# Altium PCB Universal_PCB.PcbDoc (part 3 of 3)
Units mm, origin at the board's own origin, x right, y up, seen from the top; angles counter-clockwise.
Board outline 200 x 105 mm, 2 copper layers (Top Layer, Bottom Layer), stack 1.57 mm thick; 323 components, 231 nets, 891 pads, 95 vias.
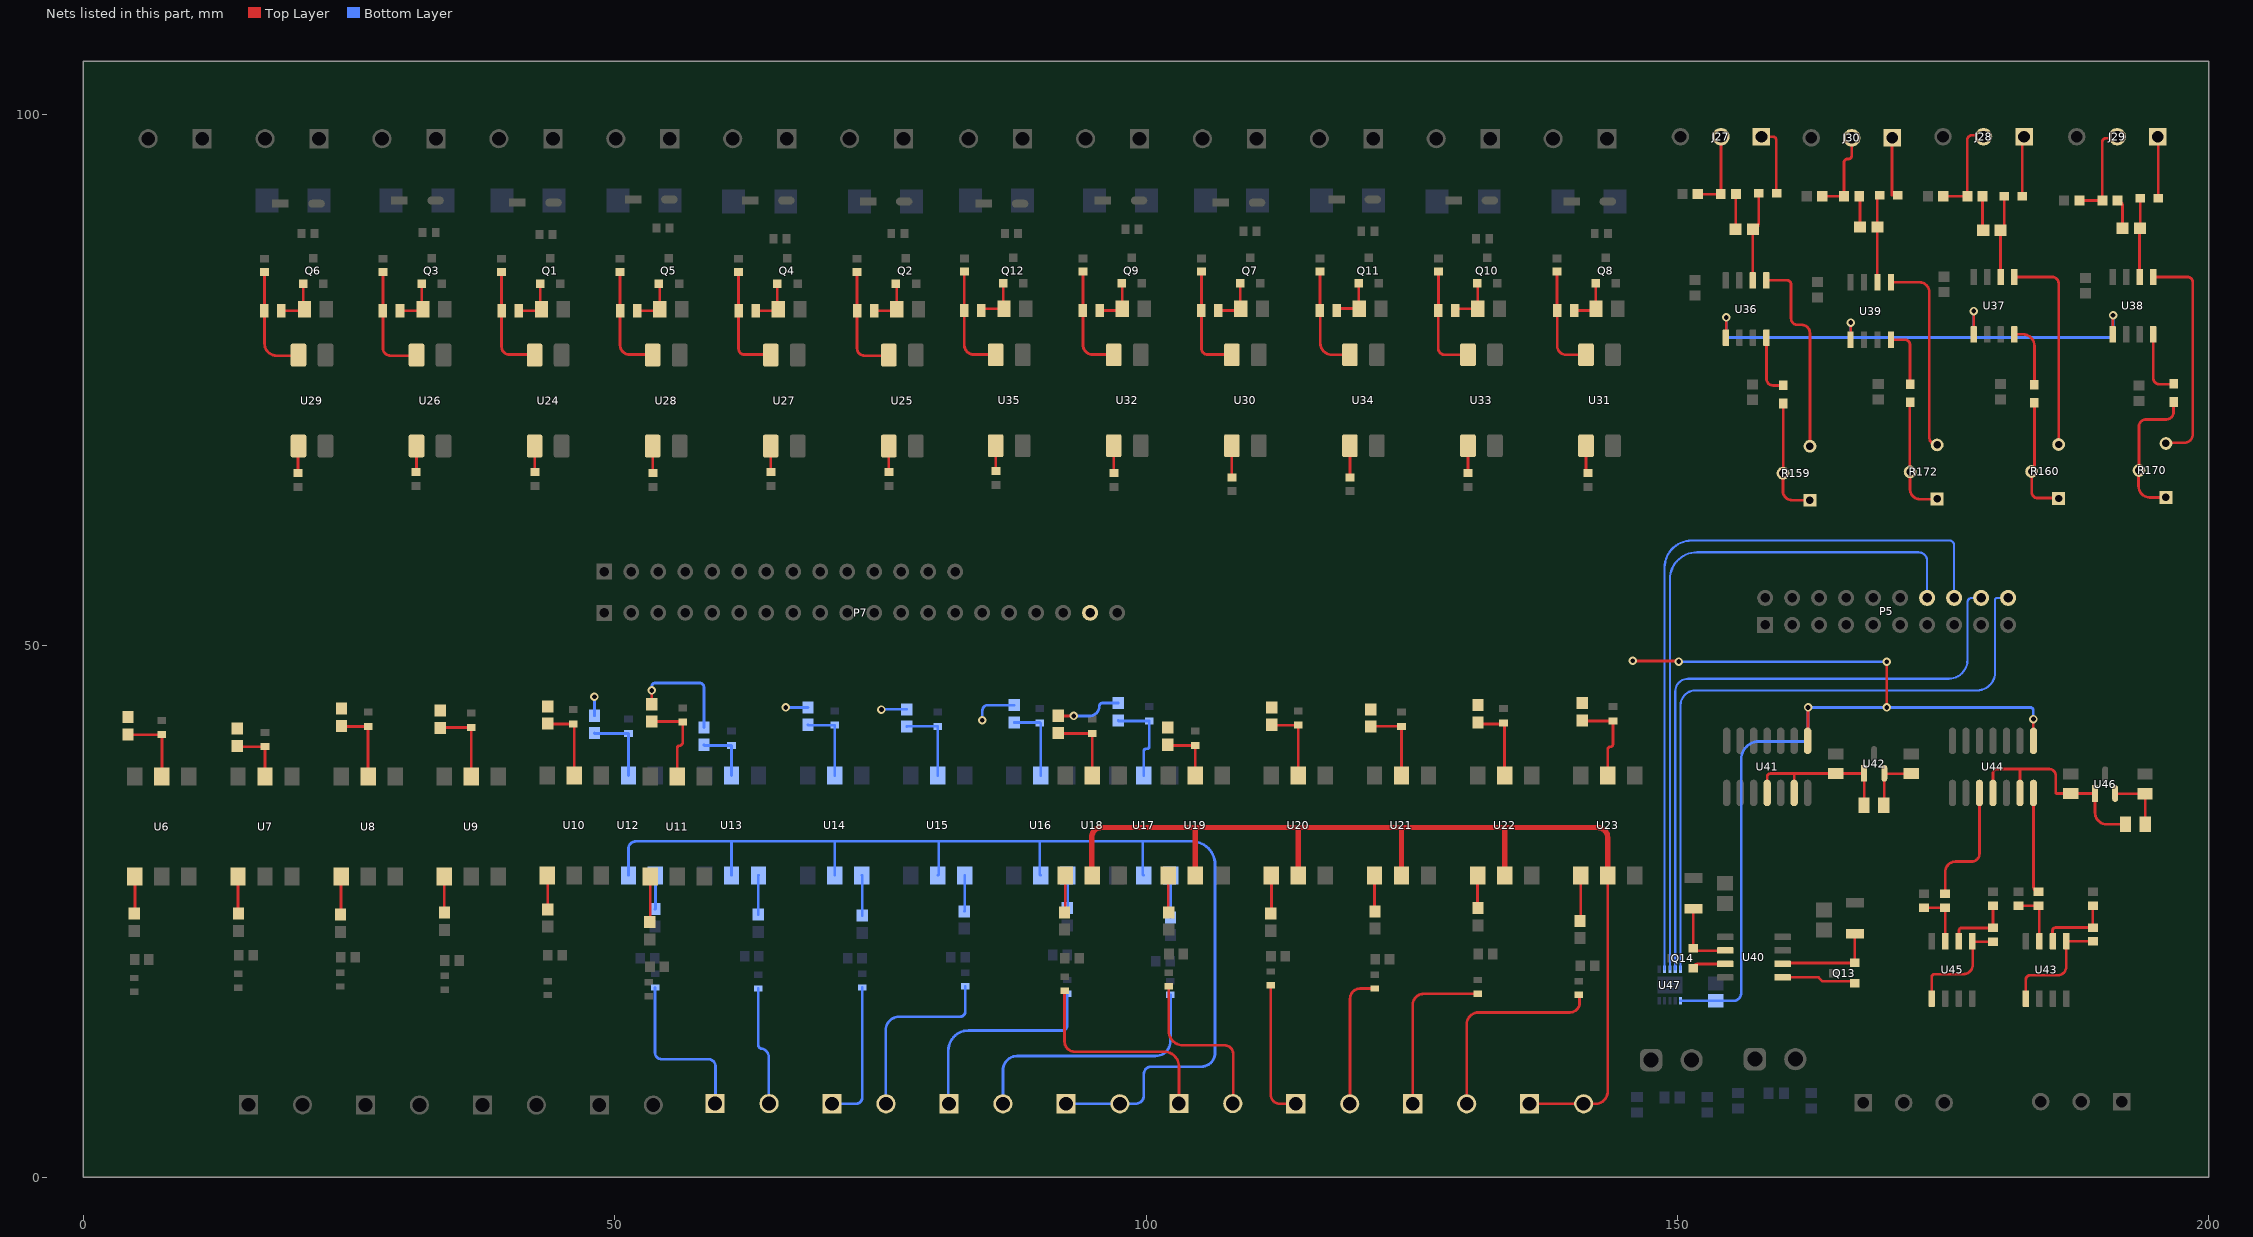
[diagram p3: the nets of this part, all layers, seen from the top]

## Via types
v1: diameter 0.8, hole 0.45, Top Layer to Bottom Layer, 83 vias
v2: diameter 1.27, hole 0.711, Top Layer to Bottom Layer, 12 vias

## Nets (pads, with @x,y where several pads share a name; then routed paths per layer and width w, separated by ;. In a path a pad name is that pad's centre, name@x,y a point inside that pad or via, vN(x,y) a via of type N, cw(c..) or ccw(c..) an arc to the next point about the centre after c; other vN are vias at no path point) (continued)
NetJ6_1: J6.1 R44.1 | length 37.3
  Bottom Layer w0.254: 53.8,11.7 ccw(c54.4,11.7) 54.4,11.1 ; 53.8,11.7 ccw(c54.4,11.7) 54.4,11.1 ; 53.8,11.7 ccw(c54.4,11.7) 54.4,11.1 ; 53.8,11.7 R44.1@53.8,17.85 ; 53.8,11.7 R44.1@53.8,17.85 ; 53.8,11.7 R44.1@53.8,17.85 ; 54.4,11.1 58.8,11.1 cw(c58.8,10.4) 59.5,10.4 ; J6.1@59.448,6.923 ccw(c59.448,6.975) J6.1@59.5,6.975 ; J6.1@59.448,6.923 ccw(c59.448,6.975) J6.1@59.5,6.975 ; J6.1@59.448,6.923 ccw(c59.448,6.975) J6.1@59.5,6.975 ; J6.1@59.5,6.975 59.5,10.4 ; J6.1@59.5,6.975 59.5,10.4 ; J6.1@59.5,6.975 59.5,10.4
NetJ6_2: J6.2 R48.1 | length 13.7
  Bottom Layer w0.254: R48.1@63.5,17.75 63.5,12.489 ccw(c63.92,12.489) 63.77,12.097 ; J6.2@64.528,6.923 cw(c64.528,6.951) 64.5,6.951 64.5,11.3 ; 63.77,12.097 ccw(c63.92,12.489) 63.92,12.069 ; 63.77,12.097 ccw(c63.92,12.489) 63.92,12.069 ; 63.77,12.097 ccw(c63.92,12.489) 63.92,12.069 ; 63.92,12.069 cw(c63.7,11.3) 64.5,11.3 ; 63.92,12.069 cw(c63.7,11.3) 64.5,11.3 ; 63.92,12.069 cw(c63.7,11.3) 64.5,11.3
NetJ7_1: J7.1 R52.1 | length 18.5
  Bottom Layer w0.254: R52.1@73.3,17.85 73.3,7.5 cw(c72.7,7.5) 72.7,6.9 ; J7.1@70.352,7 cw(c70.352,6.9) J7.1@70.452,6.9 ; J7.1@70.352,7 cw(c70.352,6.9) J7.1@70.452,6.9 ; J7.1@70.352,7 cw(c70.352,6.9) J7.1@70.452,6.9 ; J7.1@70.452,6.9 72.7,6.9 ; J7.1@70.452,6.9 72.7,6.9 ; J7.1@70.452,6.9 72.7,6.9
NetJ7_2: J7.2 R56.1 | length 48.6
  Bottom Layer w0.254: J7.2@75.532,6.9 cw(c75.532,6.932) J7.2@75.5,6.932 ; R56.1@83,17.95 83,15.6 ; J7.2@75.5,6.932 75.5,13.8 ; J7.2@75.5,6.932 75.5,13.8 ; J7.2@75.5,6.932 75.5,13.8 ; 75.5,13.8 cw(c76.8,13.8) 76.8,15.1 ; 75.5,13.8 cw(c76.8,13.8) 76.8,15.1 ; 75.5,13.8 cw(c76.8,13.8) 76.8,15.1 ; 76.8,15.1 82.5,15.1 ; 76.8,15.1 82.5,15.1 ; 76.8,15.1 82.5,15.1 ; 82.5,15.1 ccw(c82.5,15.6) 83,15.6 ; 82.5,15.1 ccw(c82.5,15.6) 83,15.6 ; 82.5,15.1 ccw(c82.5,15.6) 83,15.6
NetJ8_1: J8.1 R60.1 | length 54
  Bottom Layer w0.254: J8.1@81.456,6.9 cw(c81.456,6.956) J8.1@81.4,6.956 ; R60.1@92.6,17.25 92.6,14.3 cw(c92.1,14.3) 92.1,13.8 ; J8.1@81.4,6.956 81.4,11.9 ; J8.1@81.4,6.956 81.4,11.9 ; J8.1@81.4,6.956 81.4,11.9 ; 81.4,11.9 cw(c83.3,11.9) 83.3,13.8 ; 81.4,11.9 cw(c83.3,11.9) 83.3,13.8 ; 81.4,11.9 cw(c83.3,11.9) 83.3,13.8 ; 83.3,13.8 92.1,13.8 ; 83.3,13.8 92.1,13.8 ; 83.3,13.8 92.1,13.8
NetJ8_2: J8.2 R64.1 | length 65.8
  Bottom Layer w0.254: R64.1@102.3,17.15 102.3,12.8 ; J8.2@86.536,6.9 86.536,10.038 ; J8.2@86.536,6.9 86.536,10.038 ; J8.2@86.536,6.9 86.536,10.038 ; 86.536,10.038 cw(c87.898,10.038) 87.898,11.4 ; 86.536,10.038 cw(c87.898,10.038) 87.898,11.4 ; 86.536,10.038 cw(c87.898,10.038) 87.898,11.4 ; 87.898,11.4 100.9,11.4 ; 87.898,11.4 100.9,11.4 ; 87.898,11.4 100.9,11.4 ; 100.9,11.4 ccw(c100.9,12.8) 102.3,12.8 ; 100.9,11.4 ccw(c100.9,12.8) 102.3,12.8 ; 100.9,11.4 ccw(c100.9,12.8) 102.3,12.8
NetJ9_1: J9.1 J9.2 U12.2 U13.2 U14.2 U15.2 U16.2 U17.2 | length 130.9
  Bottom Layer w0.254: U12.2@51.3,28.4 51.3,30.9 cw(c52,30.9) 52,31.6 61,31.6 ; U13.2@61,28.4 61,31.6 ; U14.2@70.7,28.4 70.7,31.6 ; U15.2@80.4,28.4 ccw(c80.4,28.5) 80.5,28.5 80.5,31.6 ; U16.2@90.1,28.4 cw(c90.1,28.5) 90,28.5 90,31.6 ; J9.1@92.46,6.9 J9.2@97.54,6.9 99,6.9 ccw(c99,7.7) 99.8,7.7 99.8,9.7 cw(c100.5,9.7) 100.5,10.4 ; 61,31.6 70.7,31.6 ; 70.7,31.6 80.5,31.6 ; 80.5,31.6 90,31.6 ; 90,31.6 99.7,31.6 ; U17.2@99.7,28.5 ccw(c99.8,28.5) U17.2@99.8,28.4 ; U17.2@99.7,28.5 ccw(c99.8,28.5) U17.2@99.8,28.4 ; U17.2@99.7,28.5 ccw(c99.8,28.5) U17.2@99.8,28.4 ; U17.2@99.7,28.5 99.7,31.6 ; U17.2@99.7,28.5 99.7,31.6 ; U17.2@99.7,28.5 99.7,31.6 ; 99.7,31.6 104.3,31.6 cw(c104.3,29.4) 106.5,29.4 106.5,11.7 ; 100.5,10.4 105.2,10.4 ; 100.5,10.4 105.2,10.4 ; 100.5,10.4 105.2,10.4 ; 105.2,10.4 ccw(c105.2,11.7) 106.5,11.7 ; 105.2,10.4 ccw(c105.2,11.7) 106.5,11.7 ; 105.2,10.4 ccw(c105.2,11.7) 106.5,11.7
NetJ10_1: J10.1 R68.1 | length 47.2
  Top Layer w0.254: R68.1@92.34,17.55 92.34,12.76 ; J10.1@103.088,6.923 J10.1@103.1,6.923 ; 92.34,12.76 ccw(c93.3,12.76) 93.3,11.8 ; 92.34,12.76 ccw(c93.3,12.76) 93.3,11.8 ; 92.34,12.76 ccw(c93.3,12.76) 93.3,11.8 ; 93.3,11.8 101.7,11.8 ; 93.3,11.8 101.7,11.8 ; 93.3,11.8 101.7,11.8 ; 101.7,11.8 cw(c101.7,10.4) 103.1,10.4 ; J10.1@103.1,6.923 103.1,10.4 ; J10.1@103.1,6.923 103.1,10.4 ; J10.1@103.1,6.923 103.1,10.4
NetJ10_2: J10.2 R72.1 | length 26.5
  Top Layer w0.254: R72.1@102.14,17.95 102.14,13.76 ccw(c103.5,13.76) 103.5,12.4 ; J10.2@108.168,6.923 ccw(c108.168,6.955) 108.2,6.955 108.2,11.6 ; 103.5,12.4 107.4,12.4 ; 103.5,12.4 107.4,12.4 ; 103.5,12.4 107.4,12.4 ; 107.4,12.4 cw(c107.4,11.6) 108.2,11.6 ; 107.4,12.4 cw(c107.4,11.6) 108.2,11.6 ; 107.4,12.4 cw(c107.4,11.6) 108.2,11.6
NetJ11_1: J11.1 R76.1 | length 36.4
  Top Layer w0.254: J11.1@114.092,6.9 112.6,6.9 ; 111.74,7.76 ccw(c112.6,7.76) 112.6,6.9 ; 111.74,7.76 ccw(c112.6,7.76) 112.6,6.9 ; 111.74,7.76 ccw(c112.6,7.76) 112.6,6.9 ; 111.74,7.76 R76.1@111.74,18.05 ; 111.74,7.76 R76.1@111.74,18.05 ; 111.74,7.76 R76.1@111.74,18.05
NetJ11_2: J11.2 R80.1 | length 12.8
  Top Layer w0.254: J11.2@119.172,6.9 ccw(c119.172,6.928) 119.2,6.928 119.2,16.8 cw(c120.15,16.8) 120.15,17.75 R80.1@121.54,17.75
NetJ12_1: J12.1 R84.1 | length 37.9
  Top Layer w0.254: J12.1@125.096,6.9 J12.1@125.1,6.9 ; R84.1@131.24,17.25 126.15,17.25 ; J12.1@125.1,6.9 125.1,16.2 ; J12.1@125.1,6.9 125.1,16.2 ; J12.1@125.1,6.9 125.1,16.2 ; 125.1,16.2 cw(c126.15,16.2) 126.15,17.25 ; 125.1,16.2 cw(c126.15,16.2) 126.15,17.25 ; 125.1,16.2 cw(c126.15,16.2) 126.15,17.25
NetJ12_2: J12.2 R88.1 | length 40.1
  Top Layer w0.254: J12.2@130.176,6.9 130.176,14.376 cw(c131.3,14.376) 131.3,15.5 ; R88.1@140.74,17.15 cw(c140.74,17.09) 140.8,17.09 140.8,16.4 ; 131.3,15.5 139.9,15.5 ; 131.3,15.5 139.9,15.5 ; 131.3,15.5 139.9,15.5 ; 139.9,15.5 ccw(c139.9,16.4) 140.8,16.4 ; 139.9,15.5 ccw(c139.9,16.4) 140.8,16.4 ; 139.9,15.5 ccw(c139.9,16.4) 140.8,16.4
NetJ13_1: J13.1 J13.2 U18.2 U19.2 U20.2 U21.2 U22.2 U23.2 | length 103.3
  Top Layer w0.254: J13.1@136.1,6.9 J13.2@141.18,6.9 142.3,6.9 ccw(c142.3,8.04) 143.44,8.04 U23.2@143.44,28.4
  Top Layer w0.508: U18.2@94.94,28.4 cw(c94.94,28.44) 94.9,28.44 94.9,32 cw(c95.8,32) 95.8,32.9 104.6,32.9 ; U19.2@104.64,28.4 104.64,32.86 ccw(c104.6,32.86) 104.6,32.9 ; U20.2@114.34,28.4 114.34,32.76 ccw(c114.2,32.76) 114.2,32.9 ; U21.2@124.04,28.4 124.04,32.86 ccw(c124,32.86) 124,32.9 ; U22.2@133.74,28.4 133.74,32.86 ccw(c133.7,32.86) 133.7,32.9 ; U23.2@143.44,28.4 143.44,31.96 ccw(c142.5,31.96) 142.5,32.9 133.7,32.9 ; 104.6,32.9 114.2,32.9 ; 114.2,32.9 124,32.9 ; 124,32.9 133.7,32.9
NetJ27_01: J27.01 R151.1 | length 6.6
  Top Layer w0.254: J27.01@157.91,97.9 159,97.9 cw(c159,97.6) 159.3,97.6 159.3,92.65 ccw(c159.35,92.65) R151.1@159.35,92.6
NetJ27_02: J27.02 R157.1 R161.1 | length 7.6
  Top Layer w0.254: R161.1@151.927,92.5 R157.1@154.085,92.5 154.1,92.5 J27.02@154.1,97.9
NetJ28_01: J28.01 R152.1 | length 5.7
  Top Layer w0.254: R152.1@182.45,92.3 182.45,97.73 cw(c182.62,97.73) J28.01@182.62,97.9
NetJ28_02: J28.02 R158.1 R162.1 | length 9.4
  Top Layer w0.254: R162.1@175.027,92.297 R158.1@177.285,92.297 ; R158.1@177.285,92.3 177.285,97.596 cw(c177.731,97.596) 177.731,98.042 178.668,98.042 cw(c178.668,97.9) J28.02@178.81,97.9
NetJ29_01: J29.01 R163.1 | length 5.8
  Top Layer w0.254: J29.01@195.2,97.9 cw(c195.2,97.85) 195.25,97.85 R163.1@195.25,92.1
NetJ29_02: J29.02 R169.1 R173.1 | length 9.4
  Top Layer w0.254: R173.1@187.827,91.891 R169.1@189.985,91.891 ; R169.1@189.985,91.9 189.985,97.432 cw(c190.311,97.432) 190.311,97.758 191.248,97.758 ccw(c191.248,97.9) J29.02@191.39,97.9
NetJ30_01: J30.01 R164.1 | length 5.4
  Top Layer w0.254: 170.199,92.4 J30.01@170.199,97.8
NetJ30_02: J30.02 R171.1 R174.1 | length 8
  Top Layer w0.254: R174.1@163.627,92.297 R171.1@165.685,92.297 ; R171.1@165.685,92.3 165.685,95.485 cw(c166,95.485) 166,95.8 166.1,95.8 ccw(c166.1,96.1) 166.4,96.1 166.4,97.8 J30.02@166.41,97.8
NetQ1_1: Q1.1 R96.2 R99.2 | length 4.5
  Top Layer w0.254: R96.2@40.955,81.522 42.962,81.522 ccw(c42.962,81.672) R99.2@43.112,81.672 ; R99.2@43.005,81.779 Q1.1@43.005,84.072
NetQ2_1: Q2.1 R98.2 R100.2 | length 9.1
  Top Layer w0.254: Q2.1@76.464,84.072 cw(c76.464,83.992) 76.543,83.992 R100.2@76.543,81.672 ; R98.2@74.414,81.522 R100.2@76.393,81.522 ; R98.2@74.414,81.522 R100.2@76.393,81.522 ; R98.2@74.414,81.522 R100.2@76.393,81.522 ; R100.2@76.393,81.522 ccw(c76.393,81.672) R100.2@76.543,81.672 ; R100.2@76.393,81.522 ccw(c76.393,81.672) R100.2@76.543,81.672 ; R100.2@76.393,81.522 ccw(c76.393,81.672) R100.2@76.543,81.672
NetQ3_1: Q3.1 R106.2 R109.2 | length 13.9
  Top Layer w0.254: R106.2@29.803,81.522 R109.2@31.606,81.522 ; R106.2@29.803,81.522 R109.2@31.606,81.522 ; R106.2@29.803,81.522 R109.2@31.606,81.522 ; R109.2@31.606,81.522 ccw(c31.606,82.034) R109.2@31.969,81.672 ; R109.2@31.606,81.522 ccw(c31.606,82.034) R109.2@31.969,81.672 ; R109.2@31.606,81.522 ccw(c31.606,82.034) R109.2@31.969,81.672 ; R109.2@31.853,81.952 ccw(c32.248,81.952) R109.2@31.969,81.672 ; R109.2@31.853,81.952 ccw(c32.248,81.952) R109.2@31.969,81.672 ; R109.2@31.853,81.952 ccw(c32.248,81.952) R109.2@31.969,81.672 ; R109.2@31.853,81.952 Q3.1@31.853,84.072 ; R109.2@31.853,81.952 Q3.1@31.853,84.072 ; R109.2@31.853,81.952 Q3.1@31.853,84.072
NetQ4_1: Q4.1 R108.2 R110.2 | length 13.7
  Top Layer w0.254: R108.2@63.261,81.522 R110.2@65.25,81.522 ; R108.2@63.261,81.522 R110.2@65.25,81.522 ; R108.2@63.261,81.522 R110.2@65.25,81.522 ; R110.2@65.25,81.522 ccw(c65.25,81.583) R110.2@65.311,81.583 ; R110.2@65.25,81.522 ccw(c65.25,81.583) R110.2@65.311,81.583 ; R110.2@65.25,81.522 ccw(c65.25,81.583) R110.2@65.311,81.583 ; R110.2@65.311,81.583 Q4.1@65.311,84.072 ; R110.2@65.311,81.583 Q4.1@65.311,84.072 ; R110.2@65.311,81.583 Q4.1@65.311,84.072
NetQ5_1: Q5.1 R116.2 R119.2 | length 4.7
  Top Layer w0.254: R116.2@52.108,81.522 54.106,81.522 ccw(c54.106,81.672) R119.2@54.256,81.672 54.256,83.974 ccw(c54.158,83.974) Q5.1@54.158,84.072
NetQ6_1: Q6.1 R118.2 R120.2 | length 6.1
  Top Layer w0.254: R118.2@18.65,81.522 R120.2@20.463,81.522 ; Q6.1@20.7,84.072 R120.2@20.7,81.974 ; R120.2@20.463,81.522 ccw(c20.463,82.034) R120.2@20.825,81.672 ; R120.2@20.463,81.522 ccw(c20.463,82.034) R120.2@20.825,81.672 ; R120.2@20.463,81.522 ccw(c20.463,82.034) R120.2@20.825,81.672 ; R120.2@20.7,81.974 ccw(c21.127,81.974) R120.2@20.825,81.672 ; R120.2@20.7,81.974 ccw(c21.127,81.974) R120.2@20.825,81.672 ; R120.2@20.7,81.974 ccw(c21.127,81.974) R120.2@20.825,81.672
NetQ7_1: Q7.1 R126.2 R129.2 | length 5.3
  Top Layer w0.254: R126.2@106.817,81.55 R129.2@108.769,81.55 ; Q7.1@108.867,84.1 R129.2@108.867,81.752 ; R129.2@108.769,81.55 ccw(c108.769,81.7) R129.2@108.919,81.7 ; R129.2@108.769,81.55 ccw(c108.769,81.7) R129.2@108.919,81.7 ; R129.2@108.769,81.55 ccw(c108.769,81.7) R129.2@108.919,81.7 ; R129.2@108.867,81.752 ccw(c108.919,81.752) R129.2@108.919,81.7 ; R129.2@108.867,81.752 ccw(c108.919,81.752) R129.2@108.919,81.7 ; R129.2@108.867,81.752 ccw(c108.919,81.752) R129.2@108.919,81.7
NetQ8_1: Q8.1 R128.2 R130.2 | length 4.6
  Top Layer w0.254: R128.2@140.275,81.55 142.2,81.55 ccw(c142.2,81.7) R130.2@142.35,81.7 cw(c142.35,81.725) 142.325,81.725 Q8.1@142.325,84.1
NetQ9_1: Q9.1 R136.2 R139.2 | length 4.6
  Top Layer w0.254: R136.2@95.664,81.55 97.625,81.55 ccw(c97.625,81.7) R139.2@97.775,81.7 97.775,84.039 ccw(c97.714,84.039) Q9.1@97.714,84.1
NetQ10_1: Q10.1 R138.2 R140.2 | length 4.6
  Top Layer w0.254: R138.2@129.122,81.55 cw(c129.272,81.55) 129.272,81.7 R140.2@131.206,81.7 131.206,84.066 ccw(c131.172,84.066) Q10.1@131.172,84.1
NetQ11_1: Q11.1 R146.2 R149.2 | length 8.8
  Top Layer w0.254: Q11.1@120.02,84.1 R149.2@120.02,81.743 ; R146.2@117.97,81.55 cw(c118.163,81.55) R146.2@118.163,81.743 ; R146.2@117.97,81.55 cw(c118.163,81.55) R146.2@118.163,81.743 ; R146.2@117.97,81.55 cw(c118.163,81.55) R146.2@118.163,81.743 ; R146.2@118.163,81.743 R149.2@120.02,81.743 ; R146.2@118.163,81.743 R149.2@120.02,81.743 ; R146.2@118.163,81.743 R149.2@120.02,81.743
NetQ12_1: Q12.1 R148.2 R150.2 | length 9.3
  Top Layer w0.254: Q12.1@86.561,84.1 R150.2@86.561,81.77 ; R148.2@84.511,81.55 cw(c84.661,81.55) R148.2@84.661,81.7 ; R148.2@84.511,81.55 cw(c84.661,81.55) R148.2@84.661,81.7 ; R148.2@84.511,81.55 cw(c84.661,81.55) R148.2@84.661,81.7 ; R148.2@84.661,81.7 R150.2@86.632,81.7 ; R148.2@84.661,81.7 R150.2@86.63,81.7 ; R148.2@84.661,81.7 R150.2@86.63,81.7 ; R150.2@86.561,81.77 ccw(c86.632,81.77) R150.2@86.632,81.7 ; R150.2@86.561,81.77 ccw(c86.632,81.77) R150.2@86.63,81.7 ; R150.2@86.561,81.77 ccw(c86.632,81.77) R150.2@86.63,81.7 ; R150.2@86.63,81.7 ccw(c86.632,81.77) R150.2@86.632,81.7 ; R150.2@86.63,81.7 ccw(c86.632,81.77) R150.2@86.632,81.7 ; R150.2@86.63,81.7 R150.2@86.632,81.7 ; R150.2@86.63,81.7 R150.2@86.632,81.7
NetQ13_1: Q13.1 U40.1 | length 7
  Top Layer w0.254: U40.1@159.9,18.795 163.275,18.795 163.65,18.419 166.531,18.419 Q13.1@166.7,18.25
NetQ13_2: Q13.2 R175.2 U40.2 | length 9.6
  Top Layer w0.254: U40.2@159.9,20.065 159.985,20.15 163.849,20.15 165.841,20.15 Q13.2@166.7,20.15 R175.2@166.7,22.9
NetQ14_1: Q14.1 U40.7 | length 3.2
  Top Layer w0.254: Q14.1@151.5,19.65 cw(c151.915,19.65) 151.915,20.065 U40.7@154.5,20.065
NetQ14_2: Q14.2 R176.2 U40.6 | length 6.9
  Top Layer w0.254: R176.2@151.5,25.25 Q14.2@151.5,21.55 ccw(c151.75,21.55) 151.75,21.3 154.465,21.3 ccw(c154.465,21.335) U40.6@154.5,21.335
NetR19_2: R19.2 U6.1 | length 3.5
  Top Layer w0.254: R19.2@4.8,24.8 ccw(c4.8,24.86) 4.86,24.86 U6.1@4.86,28.285
NetR21_1: R21.1 R22.1 U6.5 | length 7.2
  Top Layer w0.254: R21.1@4.2,41.669 ccw(c4.238,41.669) 4.238,41.631 R22.1@7.4,41.631 U6.5@7.4,37.685
NetR23_2: R23.2 U7.1 | length 10.5
  Top Layer w0.254: R23.2@14.56,24.84 ccw(c14.6,24.84) R23.2@14.6,24.8 ; R23.2@14.56,24.84 ccw(c14.6,24.84) R23.2@14.6,24.8 ; R23.2@14.56,24.84 ccw(c14.6,24.84) R23.2@14.6,24.8 ; R23.2@14.56,24.84 U7.1@14.56,28.285 ; R23.2@14.56,24.84 U7.1@14.56,28.285 ; R23.2@14.56,24.84 U7.1@14.56,28.285
NetR25_1: R25.1 R26.1 U7.5 | length 5.5
  Top Layer w0.254: R25.1@14.5,40.569 ccw(c14.561,40.569) 14.561,40.508 R26.1@17.1,40.508 U7.5@17.1,37.685
NetR27_2: R27.2 U8.1 | length 3.6
  Top Layer w0.254: R27.2@24.2,24.7 ccw(c24.2,24.76) 24.26,24.76 U8.1@24.26,28.285
NetR29_1: R29.1 R30.1 U8.5 | length 12.3
  Top Layer w0.254: U8.5@26.8,37.685 R30.1@26.8,42.408 ; R29.1@24.3,42.454 ccw(c24.346,42.454) R29.1@24.346,42.408 ; R29.1@24.3,42.454 ccw(c24.346,42.454) R29.1@24.346,42.408 ; R29.1@24.3,42.454 ccw(c24.346,42.454) R29.1@24.346,42.408 ; R29.1@24.346,42.408 R30.1@26.8,42.408 ; R29.1@24.346,42.408 R30.1@26.8,42.408 ; R29.1@24.346,42.408 R30.1@26.8,42.408
NetR31_2: R31.2 U9.1 | length 3.4
  Top Layer w0.254: U9.1@33.96,28.285 33.96,24.94 ccw(c34,24.94) R31.2@34,24.9
NetR33_1: R33.1 R34.1 U9.5 | length 7.5
  Top Layer w0.254: R33.1@33.6,42.269 cw(c33.639,42.269) 33.639,42.308 R34.1@36.5,42.308 U9.5@36.5,37.685
NetR35_2: R35.2 U10.1 | length 3.1
  Top Layer w0.254: U10.1@43.66,28.285 cw(c43.66,28.245) 43.7,28.245 R35.2@43.7,25.2
NetR37_1: R37.1 R38.1 U10.5 | length 7.4
  Top Layer w0.254: R37.1@43.7,42.669 ccw(c43.738,42.669) 43.738,42.631 R38.1@46.1,42.631 cw(c46.1,42.531) 46.2,42.531 U10.5@46.2,37.685
NetR39_2: R39.2 U11.1 | length 4.3
  Top Layer w0.254: R39.2@53.3,24 ccw(c53.3,24.06) 53.36,24.06 U11.1@53.36,28.285
NetR41_1: R41.1 R42.1 U11.5 | length 9.9
  Top Layer w0.254: R41.1@53.5,42.869 56.339,42.869 cw(c56.339,42.808) R42.1@56.4,42.808 56.4,40.9 ; U11.5@55.9,37.685 55.9,40.4 ; 55.9,40.4 cw(c56.1,40.4) 56.1,40.6 ; 55.9,40.4 cw(c56.1,40.4) 56.1,40.6 ; 55.9,40.4 cw(c56.1,40.4) 56.1,40.6 ; 56.1,40.6 ccw(c56.1,40.9) 56.4,40.9 ; 56.1,40.6 ccw(c56.1,40.9) 56.4,40.9 ; 56.1,40.6 ccw(c56.1,40.9) 56.4,40.9
NetR43_2: R43.2 U12.1 | length 3.2
  Bottom Layer w0.254: R43.2@53.8,25.215 ccw(c53.8,25.255) 53.84,25.255 U12.1@53.84,28.4
NetR45_1: R45.1 R46.1 U12.5 | length 7.2
  Bottom Layer w0.254: R45.1@48.1,41.785 ccw(c48.138,41.785) 48.138,41.747 R46.1@51.3,41.747 U12.5@51.3,37.8
NetR47_2: R47.2 U13.1 | length 3.7
  Bottom Layer w0.254: R47.2@63.5,24.715 63.5,28.36 cw(c63.54,28.36) U13.1@63.54,28.4
NetR49_1: R49.1 R50.1 U13.5 | length 10.7
  Bottom Layer w0.254: U13.5@61,37.8 R50.1@61,40.623 ; R49.1@58.4,40.685 ccw(c58.461,40.685) R49.1@58.461,40.623 ; R49.1@58.4,40.685 ccw(c58.461,40.685) R49.1@58.461,40.623 ; R49.1@58.4,40.685 ccw(c58.461,40.685) R49.1@58.461,40.623 ; R49.1@58.461,40.623 R50.1@61,40.623 ; R49.1@58.461,40.623 R50.1@61,40.623 ; R49.1@58.461,40.623 R50.1@61,40.623
NetR51_2: R51.2 U14.1 | length 3.8
  Bottom Layer w0.254: U14.1@73.24,28.4 cw(c73.24,28.34) 73.3,28.34 R51.2@73.3,24.615
NetR53_1: R53.1 R54.1 U14.5 | length 7.2
  Bottom Layer w0.254: R53.1@68.2,42.569 ccw(c68.246,42.569) 68.246,42.523 R54.1@70.7,42.523 U14.5@70.7,37.8
NetR55_2: R55.2 U15.1 | length 10.2
  Bottom Layer w0.254: R55.2@82.9,25.015 ccw(c82.9,25.055) R55.2@82.94,25.055 ; R55.2@82.9,25.015 ccw(c82.9,25.055) R55.2@82.94,25.055 ; R55.2@82.9,25.015 ccw(c82.9,25.055) R55.2@82.94,25.055 ; R55.2@82.94,25.055 U15.1@82.94,28.4 ; R55.2@82.94,25.055 U15.1@82.94,28.4 ; R55.2@82.94,25.055 U15.1@82.94,28.4
NetR57_1: R57.1 R58.1 U15.5 | length 7.5
  Bottom Layer w0.254: R57.1@77.5,42.385 cw(c77.539,42.385) 77.539,42.423 R58.1@80.4,42.423 U15.5@80.4,37.8
NetR59_2: R59.2 U16.1 | length 3.1
  Bottom Layer w0.254: R59.2@92.6,25.315 ccw(c92.6,25.355) 92.64,25.355 U16.1@92.64,28.4
NetR61_1: R61.1 R62.1 U16.5 | length 22.3
  Bottom Layer w0.254: R61.1@87.6,42.785 R62.1@89.962,42.785 ; R61.1@87.6,42.785 R62.1@89.962,42.785 ; R61.1@87.6,42.785 R62.1@89.962,42.785 ; R62.1@89.962,42.785 cw(c89.962,42.647) R62.1@90.1,42.647 ; R62.1@89.962,42.785 cw(c89.962,42.647) R62.1@90.1,42.647 ; R62.1@89.962,42.785 cw(c89.962,42.647) R62.1@90.1,42.647 ; U16.5@90.1,37.8 R62.1@90.1,42.647 ; U16.5@90.1,37.8 R62.1@90.1,42.647 ; U16.5@90.1,37.8 R62.1@90.1,42.647
NetR63_2: R63.2 U17.1 | length 4
  Bottom Layer w0.254: R63.2@102.3,24.415 102.3,28.36 cw(c102.34,28.36) U17.1@102.34,28.4
NetR65_1: R65.1 R66.1 U17.5 | length 8.4
  Bottom Layer w0.254: R65.1@97.4,42.985 ccw(c97.461,42.985) 97.461,42.923 R66.1@100.3,42.923 100.3,40.5 cw(c100.1,40.5) 100.1,40.3 99.988,40.3 ccw(c99.988,40.112) 99.8,40.112 U17.5@99.8,37.8
NetR67_2: R67.2 U18.1 | length 3.5
  Top Layer w0.254: R67.2@92.34,24.915 ccw(c92.34,24.975) 92.4,24.975 U18.1@92.4,28.4
NetR69_1: R69.1 R70.1 U18.5 | length 7.2
  Top Layer w0.254: R69.1@91.74,41.785 ccw(c91.778,41.785) 91.778,41.747 R70.1@94.94,41.747 U18.5@94.94,37.8
NetR71_2: R71.2 U19.1 | length 3.5
  Top Layer w0.254: U19.1@102.1,28.4 102.1,24.955 ccw(c102.14,24.955) R71.2@102.14,24.915
NetR73_1: R73.1 R74.1 U19.5 | length 10.7
  Top Layer w0.254: U19.5@104.64,37.8 R74.1@104.64,40.623 ; R73.1@102.04,40.685 ccw(c102.101,40.685) R73.1@102.101,40.623 ; R73.1@102.04,40.685 ccw(c102.101,40.685) R73.1@102.101,40.623 ; R73.1@102.04,40.685 ccw(c102.101,40.685) R73.1@102.101,40.623 ; R73.1@102.101,40.623 R74.1@104.64,40.623 ; R73.1@102.101,40.623 R74.1@104.64,40.623 ; R73.1@102.101,40.623 R74.1@104.64,40.623
NetR75_2: R75.2 U20.1 | length 3.6
  Top Layer w0.254: R75.2@111.74,24.815 ccw(c111.74,24.875) 111.8,24.875 U20.1@111.8,28.4
NetR77_1: R77.1 R78.1 U20.5 | length 7.2
  Top Layer w0.254: R77.1@111.84,42.569 ccw(c111.886,42.569) 111.886,42.523 R78.1@114.34,42.523 U20.5@114.34,37.8
NetR79_2: R79.2 U21.1 | length 10.2
  Top Layer w0.254: R79.2@121.5,25.055 ccw(c121.54,25.055) R79.2@121.54,25.015 ; R79.2@121.5,25.055 ccw(c121.54,25.055) R79.2@121.54,25.015 ; R79.2@121.5,25.055 ccw(c121.54,25.055) R79.2@121.54,25.015 ; R79.2@121.5,25.055 U21.1@121.5,28.4 ; R79.2@121.5,25.055 U21.1@121.5,28.4 ; R79.2@121.5,25.055 U21.1@121.5,28.4
NetR81_1: R81.1 R82.1 U21.5 | length 7.5
  Top Layer w0.254: R81.1@121.14,42.385 cw(c121.179,42.385) 121.179,42.423 R82.1@124.04,42.423 U21.5@124.04,37.8
NetR83_2: R83.2 U22.1 | length 3.1
  Top Layer w0.254: U22.1@131.2,28.4 131.2,25.355 ccw(c131.24,25.355) R83.2@131.24,25.315
NetR85_1: R85.1 R86.1 U22.5 | length 12.1
  Top Layer w0.254: R85.1@131.24,42.785 ccw(c131.378,42.785) R85.1@131.378,42.647 ; U22.5@133.74,37.8 R86.1@133.74,42.647 ; R85.1@131.378,42.647 R86.1@133.74,42.647 ; R85.1@131.378,42.647 R86.1@133.74,42.647 ; R85.1@131.378,42.647 R86.1@133.74,42.647
NetR87_2: R87.2 U23.1 | length 13
  Top Layer w0.254: R87.2@140.84,24.115 ccw(c140.84,24.175) R87.2@140.9,24.175 ; R87.2@140.84,24.115 ccw(c140.84,24.175) R87.2@140.9,24.175 ; R87.2@140.84,24.115 ccw(c140.84,24.175) R87.2@140.9,24.175 ; R87.2@140.9,24.175 U23.1@140.9,28.4 ; R87.2@140.9,24.175 U23.1@140.9,28.4 ; R87.2@140.9,24.175 U23.1@140.9,28.4
NetR89_1: R89.1 R90.1 U23.5 | length 9.9
  Top Layer w0.254: R89.1@141.04,42.985 ccw(c141.101,42.985) 141.101,42.923 R90.1@143.94,42.923 143.94,40.74 ; U23.5@143.44,37.8 143.44,40.24 ; 143.44,40.24 cw(c143.7,40.24) 143.7,40.5 ; 143.44,40.24 cw(c143.7,40.24) 143.7,40.5 ; 143.44,40.24 cw(c143.7,40.24) 143.7,40.5 ; 143.7,40.5 ccw(c143.7,40.74) 143.94,40.74 ; 143.7,40.5 ccw(c143.7,40.74) 143.94,40.74 ; 143.7,40.5 ccw(c143.7,40.74) 143.94,40.74
NetR93_1: R93.1 R96.1 U24.4 | length 24.3
  Top Layer w0.254: R93.1@39.355,85.185 R96.1@39.355,81.522 ; U24.4@42.47,77.352 ccw(c42.422,77.352) U24.4@42.422,77.4 ; 39.355,78.145 ccw(c40.1,78.145) 40.1,77.4 ; 39.355,78.145 ccw(c40.1,78.145) 40.1,77.4 ; 39.355,78.145 ccw(c40.1,78.145) 40.1,77.4 ; 39.355,78.145 R96.1@39.355,81.522 ; 39.355,78.145 R96.1@39.355,81.522 ; 39.355,78.145 R96.1@39.355,81.522 ; 40.1,77.4 U24.4@42.422,77.4 ; 40.1,77.4 U24.4@42.422,77.4 ; 40.1,77.4 U24.4@42.422,77.4
NetR94_1: R94.1 R98.1 U25.4 | length 10.6
  Top Layer w0.254: R94.1@72.814,85.185 R98.1@72.814,81.522 72.814,77.986 ccw(c73.5,77.986) 73.5,77.3 75.748,77.3 ccw(c75.748,77.352) U25.4@75.8,77.352
NetR95_2: R95.2 U24.1 | length 7.4
  Top Layer w0.254: R95.2@42.47,66.38 ccw(c42.5,66.38) R95.2@42.5,66.35 ; R95.2@42.47,66.38 ccw(c42.5,66.38) R95.2@42.5,66.35 ; R95.2@42.47,66.38 ccw(c42.5,66.38) R95.2@42.5,66.35 ; R95.2@42.47,66.38 U24.1@42.47,68.792 ; R95.2@42.47,66.38 U24.1@42.47,68.792 ; R95.2@42.47,66.38 U24.1@42.47,68.792
NetR97_2: R97.2 U25.1 | length 2.4
  Top Layer w0.254: R97.2@75.8,66.35 U25.1@75.8,68.792
NetR102_1: R102.1 R106.1 U26.4 | length 10.8
  Top Layer w0.254: R102.1@28.203,85.185 R106.1@28.203,81.522 28.203,77.997 ccw(c28.9,77.997) 28.9,77.3 31.308,77.3 ccw(c31.308,77.352) U26.4@31.36,77.352
NetR104_1: R104.1 R108.1 U27.4 | length 17.2
  Top Layer w0.254: R104.1@61.661,85.185 R108.1@61.661,81.522 61.661,77.939 ; U27.4@64.69,77.352 ccw(c64.642,77.352) U27.4@64.642,77.4 ; 61.661,77.939 ccw(c62.2,77.939) 62.2,77.4 ; 61.661,77.939 ccw(c62.2,77.939) 62.2,77.4 ; 61.661,77.939 ccw(c62.2,77.939) 62.2,77.4 ; 62.2,77.4 U27.4@64.642,77.4 ; 62.2,77.4 U27.4@64.642,77.4 ; 62.2,77.4 U27.4@64.642,77.4
NetR105_2: R105.2 U26.1 | length 7.4
  Top Layer w0.254: R105.2@31.3,66.35 ccw(c31.3,66.41) R105.2@31.36,66.41 ; R105.2@31.3,66.35 ccw(c31.3,66.41) R105.2@31.36,66.41 ; R105.2@31.3,66.35 ccw(c31.3,66.41) R105.2@31.36,66.41 ; R105.2@31.36,66.41 U26.1@31.36,68.792 ; R105.2@31.36,66.41 U26.1@31.36,68.792 ; R105.2@31.36,66.41 U26.1@31.36,68.792
NetR107_2: R107.2 U27.1 | length 7.3
  Top Layer w0.254: R107.2@64.7,66.35 R107.2@64.69,66.35 ; R107.2@64.69,66.35 U27.1@64.69,68.792 ; R107.2@64.69,66.35 U27.1@64.69,68.792 ; R107.2@64.69,66.35 U27.1@64.69,68.792
NetR113_1: R113.1 R116.1 U28.4 | length 17.6
  Top Layer w0.254: R113.1@50.508,85.185 R116.1@50.508,81.522 50.508,78.292 ; U28.4@53.58,77.352 ccw(c53.532,77.352) U28.4@53.532,77.4 ; 50.508,78.292 ccw(c51.4,78.292) 51.4,77.4 ; 50.508,78.292 ccw(c51.4,78.292) 51.4,77.4 ; 50.508,78.292 ccw(c51.4,78.292) 51.4,77.4 ; 51.4,77.4 U28.4@53.532,77.4 ; 51.4,77.4 U28.4@53.532,77.4 ; 51.4,77.4 U28.4@53.532,77.4
NetR114_1: R114.1 R118.1 U29.4 | length 10.6
  Top Layer w0.254: R114.1@17.05,85.185 R118.1@17.05,81.522 17.05,78.45 ccw(c18.2,78.45) 18.2,77.3 20.198,77.3 ccw(c20.198,77.352) U29.4@20.25,77.352
NetR115_2: R115.2 U28.1 | length 2.6
  Top Layer w0.254: U28.1@53.58,68.792 53.58,66.27 ccw(c53.6,66.27) R115.2@53.6,66.25
NetR117_2: R117.2 U29.1 | length 2.6
  Top Layer w0.254: R117.2@20.2,66.25 20.2,68.742 cw(c20.25,68.742) U29.1@20.25,68.792
NetR122_1: R122.1 R126.1 U30.4 | length 16.9
  Top Layer w0.254: R122.1@105.217,85.213 R126.1@105.217,81.55 105.217,77.983 ; 105.217,77.983 ccw(c105.8,77.983) 105.8,77.4 ; 105.217,77.983 ccw(c105.8,77.983) 105.8,77.4 ; 105.217,77.983 ccw(c105.8,77.983) 105.8,77.4 ; 105.8,77.4 U30.4@108.056,77.4 ; 105.8,77.4 U30.4@108.056,77.4 ; 105.8,77.4 U30.4@108.056,77.4 ; U30.4@108.056,77.4 ccw(c108.056,77.433) U30.4@108.089,77.433 ; U30.4@108.056,77.4 ccw(c108.056,77.433) U30.4@108.089,77.433 ; U30.4@108.056,77.4 ccw(c108.056,77.433) U30.4@108.089,77.433
NetR124_1: R124.1 R128.1 U31.4 | length 16.5
  Top Layer w0.254: R124.1@138.675,85.213 R128.1@138.675,81.55 cw(c138.675,81.525) 138.7,81.525 138.7,78.2 ; 138.7,78.2 ccw(c139.52,78.2) 139.52,77.38 ; 138.7,78.2 ccw(c139.52,78.2) 139.52,77.38 ; 138.7,78.2 ccw(c139.52,78.2) 139.52,77.38 ; 139.52,77.38 U31.4@141.405,77.38 ; 139.52,77.38 U31.4@141.405,77.38 ; 139.52,77.38 U31.4@141.405,77.38
NetR125_2: R125.2 U30.1 | length 9
  Top Layer w0.254: R125.2@108.075,65.875 ccw(c108.1,65.875) R125.2@108.1,65.85 ; R125.2@108.075,65.875 ccw(c108.1,65.875) R125.2@108.1,65.85 ; R125.2@108.075,65.875 ccw(c108.1,65.875) R125.2@108.1,65.85 ; R125.2@108.075,65.875 U30.1@108.075,68.82 ; R125.2@108.075,65.875 U30.1@108.075,68.82 ; R125.2@108.075,65.875 U30.1@108.075,68.82
NetR127_2: R127.2 U31.1 | length 8
  Top Layer w0.254: R127.2@141.405,66.445 ccw(c141.6,66.445) R127.2@141.6,66.25 ; R127.2@141.405,66.445 ccw(c141.6,66.445) R127.2@141.6,66.25 ; R127.2@141.405,66.445 ccw(c141.6,66.445) R127.2@141.6,66.25 ; R127.2@141.405,66.445 U31.1@141.405,68.82 ; R127.2@141.405,66.445 U31.1@141.405,68.82 ; R127.2@141.405,66.445 U31.1@141.405,68.82
NetR132_1: R132.1 R136.1 U32.4 | length 17.2
  Top Layer w0.254: R132.1@94.064,85.213 R136.1@94.064,81.55 94.064,78.336 ; U32.4@96.965,77.38 ccw(c96.945,77.38) U32.4@96.945,77.4 ; 94.064,78.336 ccw(c95,78.336) 95,77.4 ; 94.064,78.336 ccw(c95,78.336) 95,77.4 ; 94.064,78.336 ccw(c95,78.336) 95,77.4 ; 95,77.4 U32.4@96.945,77.4 ; 95,77.4 U32.4@96.945,77.4 ; 95,77.4 U32.4@96.945,77.4
NetR134_1: R134.1 R138.1 U33.4 | length 16.7
  Top Layer w0.254: R134.1@127.522,85.213 R138.1@127.522,81.55 ccw(c127.522,81.528) 127.5,81.528 127.5,78 ; 127.5,78 ccw(c128.12,78) 128.12,77.38 ; 127.5,78 ccw(c128.12,78) 128.12,77.38 ; 127.5,78 ccw(c128.12,78) 128.12,77.38 ; 128.12,77.38 U33.4@130.295,77.38 ; 128.12,77.38 U33.4@130.295,77.38 ; 128.12,77.38 U33.4@130.295,77.38
NetR135_2: R135.2 U32.1 | length 2.6
  Top Layer w0.254: U32.1@96.965,68.82 96.965,66.285 ccw(c97,66.285) R135.2@97,66.25
NetR137_2: R137.2 U33.1 | length 7.7
  Top Layer w0.254: U33.1@130.295,68.82 U33.1@130.3,68.82 ; R137.2@130.3,66.25 U33.1@130.3,68.82 ; R137.2@130.3,66.25 U33.1@130.3,68.82 ; R137.2@130.3,66.25 U33.1@130.3,68.82
NetR142_1: R142.1 R146.1 U34.4 | length 17
  Top Layer w0.254: R142.1@116.37,85.213 R146.1@116.37,81.55 cw(c116.37,81.52) 116.4,81.52 116.4,78.5 ; 116.4,78.5 ccw(c117.52,78.5) 117.52,77.38 ; 116.4,78.5 ccw(c117.52,78.5) 117.52,77.38 ; 116.4,78.5 ccw(c117.52,78.5) 117.52,77.38 ; 117.52,77.38 U34.4@119.185,77.38 ; 117.52,77.38 U34.4@119.185,77.38 ; 117.52,77.38 U34.4@119.185,77.38
NetR144_1: R144.1 R148.1 U35.4 | length 23.8
  Top Layer w0.254: R144.1@82.911,85.213 R148.1@82.911,81.55 ; U35.4@85.855,77.38 ccw(c85.835,77.38) U35.4@85.835,77.4 ; 82.911,78.289 ccw(c83.8,78.289) 83.8,77.4 ; 82.911,78.289 ccw(c83.8,78.289) 83.8,77.4 ; 82.911,78.289 ccw(c83.8,78.289) 83.8,77.4 ; 82.911,78.289 R148.1@82.911,81.55 ; 82.911,78.289 R148.1@82.911,81.55 ; 82.911,78.289 R148.1@82.911,81.55 ; 83.8,77.4 U35.4@85.835,77.4 ; 83.8,77.4 U35.4@85.835,77.4 ; 83.8,77.4 U35.4@85.835,77.4
NetR145_2: R145.2 U34.1 | length 8.9
  Top Layer w0.254: U34.1@119.185,68.82 U34.1@119.2,68.82 ; R145.2@119.2,65.85 U34.1@119.2,68.82 ; R145.2@119.2,65.85 U34.1@119.2,68.82 ; R145.2@119.2,65.85 U34.1@119.2,68.82
NetR147_2: R147.2 U35.1 | length 7.2
  Top Layer w0.254: R147.2@85.855,66.495 ccw(c85.9,66.495) R147.2@85.9,66.45 ; R147.2@85.855,66.495 ccw(c85.9,66.495) R147.2@85.9,66.45 ; R147.2@85.855,66.495 ccw(c85.9,66.495) R147.2@85.9,66.45 ; R147.2@85.855,66.495 U35.1@85.855,68.82 ; R147.2@85.855,66.495 U35.1@85.855,68.82 ; R147.2@85.855,66.495 U35.1@85.855,68.82
NetR151_2: R151.2 R153.2 U36.2 | length 8
  Top Layer w0.254: U36.2@157.093,84.872 R153.2@157.093,89.2 ; R153.2@157.115,89.2 ccw(c157.115,89.735) 157.65,89.735 R151.2@157.65,92.6
NetR152_2: R152.2 R154.2 U37.2 | length 7.8
  Top Layer w0.254: U37.2@180.435,84.7 cw(c180.435,84.72) 180.415,84.72 R154.2@180.415,89.1 ccw(c180.415,89.435) 180.75,89.435 R152.2@180.75,92.3
NetR153_1: R153.1 R157.2 | length 3.3
  Top Layer w0.254: R153.1@155.485,89.2 R157.2@155.485,92.5
NetR154_1: R154.1 R158.2 | length 3.2
  Top Layer w0.254: R154.1@178.715,89.1 R158.2@178.715,92.3
NetR155_1: R155.1 U36.8 | length 5.8
  Top Layer w0.254: U36.8@158.38,78.975 158.38,75.12 ccw(c159,75.12) 159,74.5 R155.1@159.975,74.5
NetR155_2: R155.2 R159.1 R159.2 | length 11.3
  Top Layer w0.254: R155.2@159.975,72.8 159.975,66.275 cw(c159.935,66.275) R159.2@159.935,66.235 159.935,64.565 ccw(c160.8,64.565) 160.8,63.7 162.475,63.7 R159.1@162.475,63.695
NetR156_1: R156.1 U37.8 | length 6.2
  Top Layer w0.254: U37.8@181.705,79.3 182.535,79.3 cw(c182.535,78.235) 183.6,78.235 R156.1@183.6,74.55
NetR156_2: R156.2 R160.1 R160.2 | length 11.4
  Top Layer w0.254: R156.2@183.6,72.85 183.6,66.665 cw(c183.335,66.665) R160.2@183.335,66.4 183.335,64.465 ccw(c183.9,64.465) 183.9,63.9 185.835,63.9 cw(c185.835,63.86) R160.1@185.875,63.86
NetR159_3: R159.3 U36.1 | length 19
  Top Layer w0.254: U36.1@158.38,84.375 cw(c158.405,84.375) 158.405,84.4 160.3,84.4 cw(c160.3,84) 160.7,84 160.7,80.8 ccw(c161.3,80.8) 161.3,80.2 161.7,80.2 cw(c161.7,79.425) 162.475,79.425 R159.3@162.475,68.775
NetR160_3: R160.3 U37.1 | length 19.7
  Top Layer w0.254: U37.1@181.705,84.7 185.288,84.7 cw(c185.288,84.113) 185.875,84.113 R160.3@185.875,68.94
NetR163_2: R163.2 R165.2 U38.2 | length 7.4
  Top Layer w0.254: R165.2@193.491,89.3 193.491,86.005 193.491,84.7 U38.2@193.498,84.7 ; R165.2@193.55,89.3 R163.2@193.55,92.1
NetR164_2: R164.2 R166.2 U39.2 | length 7.9
  Top Layer w0.254: R166.2@168.802,89.4 R164.2@168.802,92.125 ; R166.2@168.815,89.4 168.815,84.22 ccw(c168.835,84.22) U39.2@168.835,84.2
NetR165_1: R165.1 R169.2 | length 2.9
  Top Layer w0.254: R169.2@191.415,91.9 cw(c191.415,91.431) 191.885,91.431 R165.1@191.885,89.3
NetR166_1: R166.1 R171.2 | length 2.9
  Top Layer w0.254: R166.1@167.185,89.4 R171.2@167.185,92.3
NetR167_1: R167.1 U38.8 | length 6.4
  Top Layer w0.254: U38.8@194.768,79.3 194.768,75.232 ccw(c195.4,75.232) 195.4,74.6 196.652,74.6 ccw(c196.652,74.639) R167.1@196.691,74.639
NetR167_2: R167.2 R170.1 R170.2 | length 13.8
  Top Layer w0.254: R170.1@195.975,63.96 194.44,63.96 cw(c194.44,65) 193.4,65 193.4,66.465 cw(c193.435,66.465) R170.2@193.435,66.5 193.435,70.635 cw(c194.1,70.635) 194.1,71.3 196,71.3 ccw(c196,71.991) 196.691,71.991 R167.2@196.691,72.939
NetR168_1: R168.1 U39.8 | length 5.8
  Top Layer w0.254: U39.8@170.105,78.8 171.4,78.8 cw(c171.4,78.3) 171.9,78.3 R168.1@171.9,74.625
NetR168_2: R168.2 R172.1 R172.2 | length 11.3
  Top Layer w0.254: R172.2@171.875,66.36 R168.2@171.875,72.925 ; R172.2@171.9,66.36 171.9,64.7 ccw(c172.8,64.7) 172.8,63.8 174.42,63.8 ccw(c174.42,63.82) R172.1@174.44,63.82
NetR170_3: R170.3 U38.1 | length 21.3
  Top Layer w0.254: U38.1@194.768,84.7 198,84.7 cw(c198,84.2) 198.5,84.2 198.5,69.9 cw(c197.7,69.9) 197.7,69.1 196.035,69.1 ccw(c196.035,69.04) R170.3@195.975,69.04
NetR172_3: R172.3 U39.1 | length 18.9
  Top Layer w0.254: U39.1@170.105,84.2 172.8,84.2 cw(c172.8,83.3) 173.7,83.3 173.7,69.64 ccw(c174.44,69.64) R172.3@174.44,68.9
NetR178_1: R178.1 R179.2 U42.2 | length 5.3
  Top Layer w0.254: R178.1@169.425,35 ccw(c169.425,35.047) 169.472,35.047 U42.2@169.472,37.967 ; U42.2@169.472,38.003 U42.2@169.472,37.967 ; R179.2@171.791,37.967 U42.2@169.472,37.967
NetR180_1: R180.1 U43.1 U43.5 | length 11.3
  Top Layer w0.254: U43.5@182.795,16.8 182.795,18.595 cw(c183.2,18.595) 183.2,19 185.8,19 ccw(c185.8,19.8) 186.6,19.8 186.6,22.2 U43.1@186.605,22.2 188.933,22.2 R180.1@189.104,22.371
NetR180_2: R180.2 R183.2 U43.2 | length 7
  Top Layer w0.254: U43.2@185.335,22.2 cw(c185.335,22.235) 185.3,22.235 185.3,23.2 cw(c185.582,23.2) 185.582,23.482 189.097,23.482 R183.2@189.097,25.55
NetR181_1: R181.1 U44.14 | length 9.6
  Top Layer w0.254: U44.14@183.51,36.15 183.51,27.34 ccw(c184,27.34) R181.1@184,26.85
NetR181_2: R181.2 R182.2 U43.3 | length 5
  Top Layer w0.254: R182.2@182.1,25.55 R181.2@183.686,25.55 ; R181.2@184,25.55 cw(c184,25.485) 184.065,25.485 U43.3@184.065,22.2
NetR184_1: R184.1 U45.1 U45.5 | length 10.7
  Top Layer w0.254: U45.5@173.94,16.8 173.94,18.84 cw(c174.2,18.84) 174.2,19.1 176.9,19.1 ccw(c176.9,20) 177.8,20 177.8,22.15 ccw(c177.75,22.15) U45.1@177.75,22.2 ; U45.1@177.75,22.15 R184.1@179.7,22.15
NetR184_2: R184.2 R187.2 U45.2 | length 6.5
  Top Layer w0.254: U45.2@176.48,22.2 ccw(c176.48,22.22) 176.5,22.22 176.5,23.2 cw(c176.75,23.2) 176.75,23.45 R184.2@179.7,23.45 R187.2@179.7,25.55
NetR185_1: R185.1 U44.10 | length 12
  Top Layer w0.254: R185.1@175.2,26.65 175.2,28.7 cw(c176.2,28.7) 176.2,29.7 177.7,29.7 ccw(c177.7,30.43) 178.43,30.43 U44.10@178.43,36.15
NetR185_2: R185.2 R186.2 U45.3 | length 5.2
  Top Layer w0.254: R186.2@173.2,25.35 R185.2@175.2,25.35 175.21,25.34 U45.3@175.21,22.2
NetR189_1: R189.1 R190.2 U46.2 | length 5.7
  Top Layer w0.254: U46.2@191.2,36.075 R190.2@194,36.075 ; R189.1@194.025,33.2 R190.2@194.025,36.075
TEMP1: P5.14 U47.8 | length 66.3
  Bottom Layer w0.203: U47.8@149.3,19.55 149.3,47.989 149.3,49.049 149.3,56.26 cw(c151.84,56.26) 151.84,58.8 172.7,58.8 cw(c172.7,58) 173.5,58 P5.14@173.5,54.5
TEMP1_FAULT: P5.16 U47.7 | length 71.7
  Bottom Layer w0.203: U47.7@148.8,19.55 148.8,57.36 cw(c151.34,57.36) 151.34,59.9 175.6,59.9 cw(c175.6,59.46) 176.04,59.46 P5.16@176.04,54.5
TEMP2: P5.18 U47.9 | length 62.3
  Bottom Layer w0.203: U47.9@149.8,19.55 149.8,45.7 cw(c151,45.7) 151,46.9 175.538,46.9 ccw(c175.538,48.662) 177.3,48.662 177.3,54.092 cw(c177.708,54.092) 177.708,54.5 P5.18@178.58,54.5
TEMP2_FAULT: P5.20 U47.10 | length 64.4
  Bottom Layer w0.203: U47.10@150.3,19.55 150.3,44.4 cw(c151.7,44.4) 151.7,45.8 178.2,45.8 ccw(c178.2,47.5) 179.9,47.5 179.9,54.381 180.019,54.5 P5.20@181.12,54.5
VCC: C68.1 P7.19 R21.2 R25.2 R29.2 R33.2 R37.2 R41.2 R45.2 R49.2 R53.2 R57.2 R61.2 R65.2 R69.2 R73.2 R77.2 R81.2 R85.2 R89.2 U41.1 U44.1 U47.1 | length 121.7
  Top Layer w0.254: R41.2@53.5,44.5 v1(53.5,45.8) ; R69.2@91.74,43.415 91.74,43.4 v1(93.2,43.4) ; v1(145.8,48.6) 145.841,48.559 150.096,48.559 v1(150.137,48.519) ; U41.1@162.26,41.05 ccw(c162.26,41.09) 162.3,41.09 v1(162.3,44.2) ; v1(169.7,44.2) v1(169.7,48.5) ; v1(183.5,43.1) 183.5,41.05 U44.1@183.51,41.05
  Bottom Layer w0.254: R45.2@48.1,43.415 v1(48.1,45.2) ; v1(53.5,45.8) 53.5,46.2 cw(c53.8,46.2) 53.8,46.5 58,46.5 cw(c58,46.1) 58.4,46.1 R49.2@58.4,42.315 ; v1(66.1,44.2) R53.2@68.2,44.2 ; v1(75.1,44) 75.1,44.015 R57.2@77.5,44.015 ; v1(84.6,43) 84.6,43.9 cw(c85.115,43.9) 85.115,44.415 R61.2@87.6,44.415 ; v1(93.2,43.4) 94.7,43.4 ccw(c94.7,44.3) 95.6,44.3 cw(c95.915,44.3) 95.915,44.615 R65.2@97.4,44.615 ; v1(150.137,48.519) ccw(c150.156,48.519) 150.156,48.5 v1(169.7,48.5) ; U47.1@150.3,16.6 153.6,16.6 C68.1@153.6,16.594 155.294,16.594 ccw(c155.294,17.3) 156,17.3 156,39.3 cw(c157.7,39.3) 157.7,41 161.9,41 ccw(c161.9,41.4) 162.3,41.4 v1(162.3,44.2) v1(169.7,44.2) 183.2,44.2 cw(c183.2,43.9) 183.5,43.9 v1(183.5,43.1)
VREF: U36.5 U37.5 U38.5 U39.5 | length 51.6
  Top Layer w0.254: U36.5@154.57,78.975 ccw(c154.57,79.005) 154.6,79.005 v1(154.6,80.9) ; U39.5@166.295,78.8 ccw(c166.295,78.826) 166.321,78.826 v1(166.321,80.412) ; U37.5@177.895,79.3 177.9,79.3 v1(177.9,81.5) ; U38.5@190.958,79.3 190.958,81.058 cw(c191,81.058) v1(191,81.1)
  Bottom Layer w0.254: v1(154.6,80.9) 154.6,79.4 ccw(c155,79.4) 155,79 166.3,79 ; v1(166.321,80.412) 166.321,79.021 cw(c166.3,79.021) 166.3,79 ; v1(177.9,81.5) 177.9,79.1 cw(c177.8,79.1) 177.8,79 ; v1(191,81.1) 191,79.4 cw(c190.6,79.4) 190.6,79 177.8,79 ; 166.3,79 177.8,79
VREF1: R177.2 R178.2 U41.11 U41.13 U42.1 | length 15.7
  Top Layer w0.254: U41.11@158.45,36.15 158.45,37.666 cw(c158.759,37.666) 158.759,37.975 160.99,37.975 ; U41.13@160.99,36.15 160.99,37.975 ; R178.2@167.575,35 167.575,38.003 U42.1@167.572,38.003 cw(c167.544,38.003) 167.544,37.975 R177.2@164.9,37.975 160.99,37.975
VREF2: R188.2 R189.2 U44.11 U44.13 U46.1 | length 21.3
  Top Layer w0.254: U44.11@179.7,36.15 179.7,38 cw(c180.1,38) 180.1,38.4 182.3,38.4 ; U44.13@182.24,36.15 182.24,38.34 cw(c182.3,38.34) 182.3,38.4 ; R189.2@192.175,33.2 190.4,33.2 cw(c190.4,34.3) 189.3,34.3 U46.1@189.3,36.1 R188.2@187,36.1 185.7,36.1 cw(c185.7,36.2) 185.6,36.2 185.6,37.8 ccw(c185,37.8) 185,38.4 182.3,38.4
pads on no net: U6.3 U6.6 U7.3 U7.6 U8.3 U8.6 U9.3 U9.6 U10.3 U10.6 U11.3 U11.6 U12.3 U12.6 U13.3 U13.6 U14.3 U14.6 U15.3 U15.6 U16.3 U16.6 U17.3 U17.6 U18.3 U18.6 U19.3 U19.6 U20.3 U20.6 U21.3 U21.6 U22.3 U22.6 U23.3 U23.6 U41.2 U41.6 U41.7 U44.2 U44.6 U44.7

## Polygon pours and split planes (outlines as drawn)
+5 on Top Layer "AGND" (solid, pour order 2): 148,102 148,3.24 ccw(c150.54,3.24) 148.011,3 196.989,3 ccw(c194.461,3.24) 197,3.24 197,102
+24VDC on Top Layer "+24VDC" (solid, pour order 0): 2.74,102.26 2.74,55.6 143.96,55.6 ccw(c143.96,58.14) 146.5,58.14 146.5,102.26
VCC on Top Layer "VCC" (solid, pour order 1): 3,52.36 cw(c5.54,52.36) 5.54,54.9 144.16,54.9 cw(c144.16,52.36) 146.7,52.36 146.7,5.44 cw(c144.16,5.44) 144.16,2.9 5.54,2.9 cw(c5.54,5.44) 3,5.44
GND on Bottom Layer "GND" (solid, pour order 3): 3,99.7 3,5 ccw(c5,5) 5,3 194.46,3 ccw(c194.46,5.54) 197,5.54 197,99.46 ccw(c194.46,99.46) 194.46,102 5.3,102 ccw(c5.3,99.7)

## Silkscreen, mask and mechanical layers (free items; w line width, h text height)
Mechanical 1:
  lines w0.5: -0.25,0 ccw(c0,0) 0,-0.25 ; -0.25,0 ccw(c0,0) 0,-0.25 ; -0.25,0 -0.25,105 ; -0.25,105 cw(c0,105) 0,105.25 ; -0.25,105 cw(c0,105) 0,105.25 ; 0,-0.25 200,-0.25 ; 0,105.25 200,105.25 ; 200,-0.25 ccw(c200,0) 200.25,0 ; 200,-0.25 ccw(c200,0) 200.25,0 ; 200,105.25 cw(c200,105) 200.25,105 ; 200,105.25 cw(c200,105) 200.25,105 ; 200.25,0 200.25,105 ; 0.25,0.25 0.25,104.75 199.75,104.75 199.75,0.25 0.25,0.25

## Dimensions
200.25,0 to 200,105 on Bottom Overlay
0.25,0.25 to 200,0 on Bottom Overlay

## Text inside footprints (layer, text, board x,y; h text height)
P5: Top Overlay "20" at 182.644,53.992 h1.27; Top Overlay "19" at 182.644,51.452 h1.27; Top Overlay "1" at 155.72,51.452 h1.27; Top Overlay "2" at 155.72,53.992 h1.27